# Altium PCB PCB2-v2.PcbDoc (part 8 of 8)
Units mil, origin at the board's own origin, x right, y up, seen from the top; angles counter-clockwise.
Board outline 4330.71 x 4330.71 mil, 2 copper layers (Top Layer, Bottom Layer); 153 components, 127 nets, 575 pads, 933 vias.
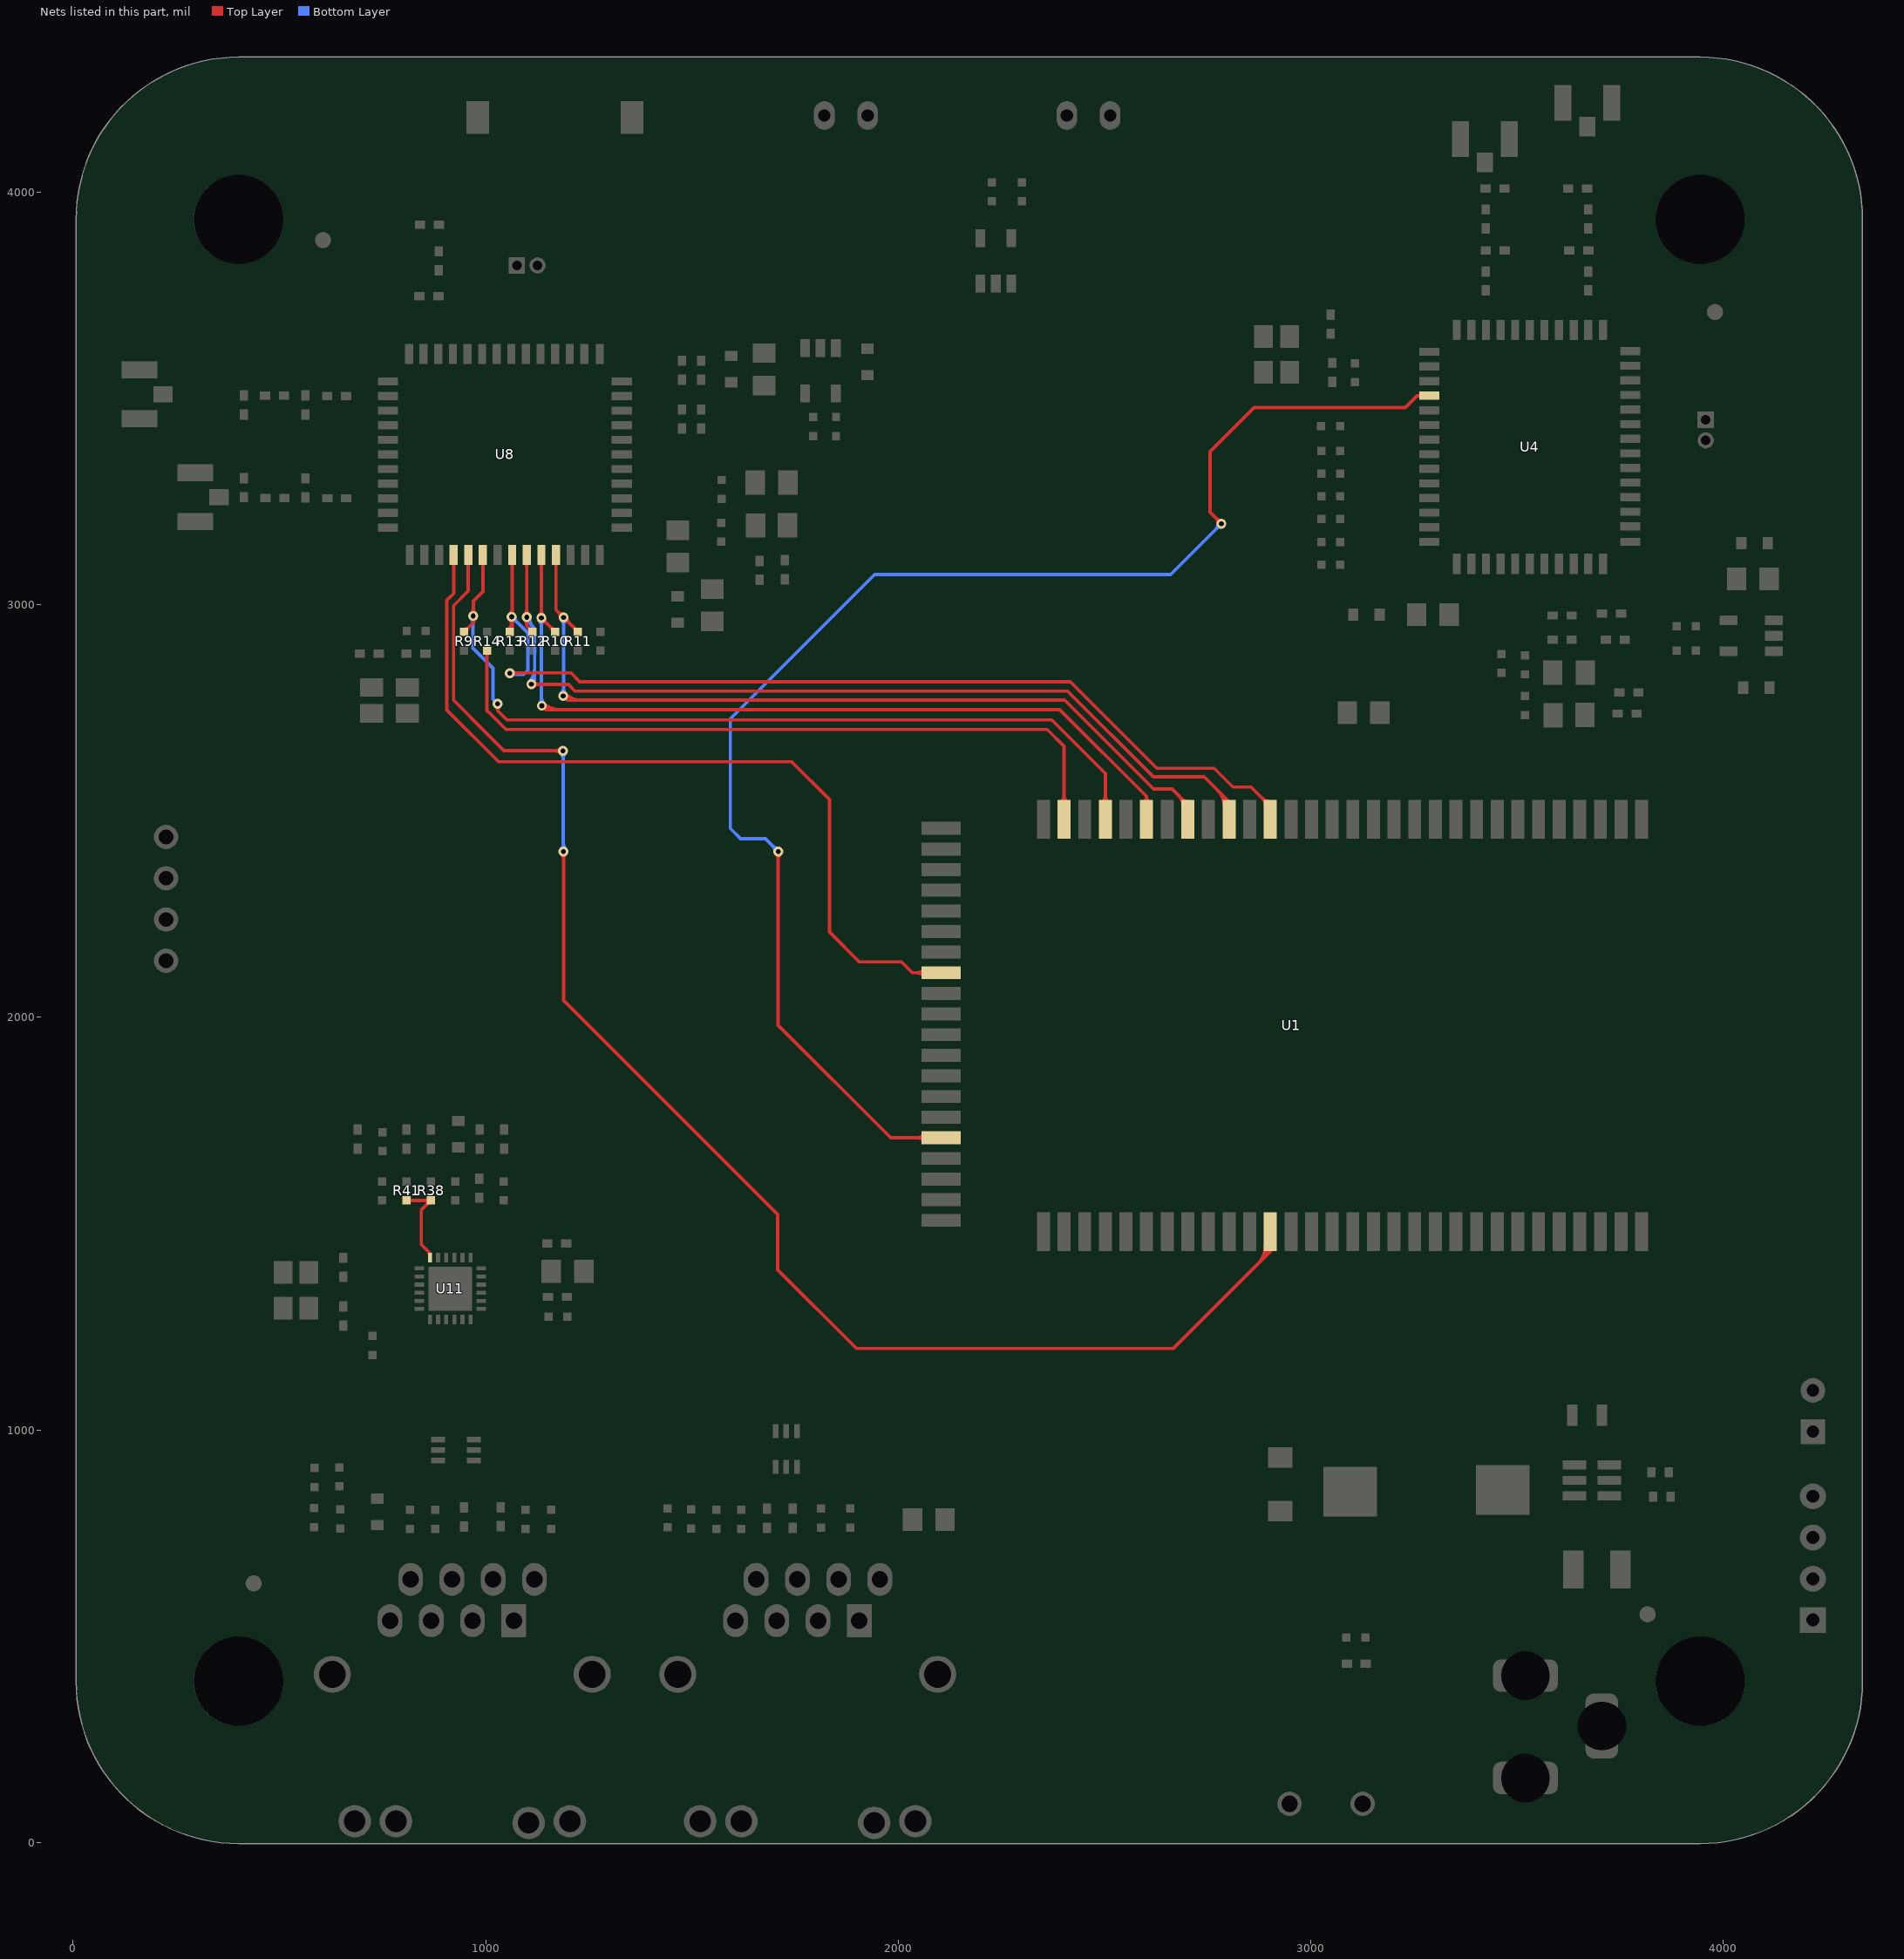
[diagram p8: the nets of this part, all layers, seen from the top]

## Via types
v1: diameter 24, hole 12, Top Layer to Bottom Layer, tented both sides, 931 vias
v2: diameter 78.74, hole 51.18, Top Layer to Bottom Layer, 2 vias

## Nets (pads, with @x,y where several pads share a name; then routed paths per layer and width w, separated by ;. In a path a pad name is that pad's centre, name@x,y a point inside that pad or via, vN(x,y) a via of type N, cw(c..) or ccw(c..) an arc to the next point about the centre after c; other vN are vias at no path point) (continued)
WL0_REG_ON: U1.76 U4.15 | length 4206.2
  Top Layer w8: v1(1708.89,2401.89) 1708.89,1980.89 1981.86,1707.92 U1.76@2103.93,1707.92 ; v1(2783.21,3196.67) 2755.83,3224.05 2755.83,3370.94 2862.78,3477.89 3012.89,3477.89 ; 2992.89,3477.89 3012.89,3477.89 ; U4.15@3287.36,3506.74 3257.73,3506.74 3228.89,3477.89 3012.89,3477.89 ; v1@1703.23,2396.24 cw(c1689.57,2382.58) 1708.89,2382.58 ; v1@1703.23,2396.24 cw(c1689.57,2382.58) 1708.89,2382.58 ; v1@1703.23,2396.24 cw(c1689.57,2382.58) 1708.89,2382.58 ; v1@1703.23,2396.24 cw(c1689.57,2382.58) 1708.89,2382.58 ; 1708.89,2382.58 cw(c1728.2,2382.58) v1@1714.54,2396.24 ; 1708.89,2382.58 cw(c1728.2,2382.58) v1@1714.54,2396.24 ; 1708.89,2382.58 cw(c1728.2,2382.58) v1@1714.54,2396.24 ; 1708.89,2382.58 cw(c1728.2,2382.58) v1@1714.54,2396.24 ; 2044.07,1707.92 cw(c2044.07,1679.55) U1.76@2064.13,1699.61 ; 2044.07,1707.92 ccw(c2044.07,1736.28) U1.76@2064.13,1716.22 ; 2044.07,1707.92 cw(c2044.07,1679.55) U1.76@2064.13,1699.61 ; 2044.07,1707.92 ccw(c2044.07,1736.28) U1.76@2064.13,1716.22 ; 2044.07,1707.92 ccw(c2044.07,1736.28) U1.76@2064.13,1716.22 ; 2044.07,1707.92 cw(c2044.07,1679.55) U1.76@2064.13,1699.61 ; 2044.07,1707.92 ccw(c2044.07,1736.28) U1.76@2064.13,1716.22 ; 2044.07,1707.92 cw(c2044.07,1679.55) U1.76@2064.13,1699.61 ; 2769.55,3210.33 cw(c2755.9,3196.67) v1@2775.21,3196.67 ; 2769.55,3210.33 ccw(c2783.21,3223.99) v1@2783.21,3204.67 ; 2769.55,3210.33 cw(c2755.9,3196.67) v1@2775.21,3196.67 ; 2769.55,3210.33 ccw(c2783.21,3223.99) v1@2783.21,3204.67 ; 2769.55,3210.33 ccw(c2783.21,3223.99) v1@2783.21,3204.67 ; 2769.55,3210.33 cw(c2755.9,3196.67) v1@2775.21,3196.67 ; 2769.55,3210.33 ccw(c2783.21,3223.99) v1@2783.21,3204.67 ; 2769.55,3210.33 cw(c2755.9,3196.67) v1@2775.21,3196.67 ; 3258.49,3506.74 cw(c3258.49,3492.63) U4.15@3268.46,3502.6 ; 3258.49,3506.74 ccw(c3258.49,3520.84) U4.15@3268.46,3510.87 ; 3258.49,3506.74 cw(c3258.49,3492.63) U4.15@3268.46,3502.6 ; 3258.49,3506.74 ccw(c3258.49,3520.84) U4.15@3268.46,3510.87 ; 3258.49,3506.74 ccw(c3258.49,3520.84) U4.15@3268.46,3510.87 ; 3258.49,3506.74 cw(c3258.49,3492.63) U4.15@3268.46,3502.6 ; 3258.49,3506.74 ccw(c3258.49,3520.84) U4.15@3268.46,3510.87 ; 3258.49,3506.74 cw(c3258.49,3492.63) U4.15@3268.46,3502.6
  Bottom Layer w8: v1(1708.89,2401.89) 1677.89,2432.89 1617.89,2432.89 1592.89,2457.89 1592.89,2723.24 1942.9,3073.26 2660.04,3073.26 2781.89,3195.1 v1@2778.77,3195.1 ; 1695.23,2415.55 cw(c1681.57,2401.89) v1@1700.89,2401.89 ; 1695.23,2415.55 ccw(c1708.89,2429.21) v1@1708.89,2409.89 ; 1695.23,2415.55 cw(c1681.57,2401.89) v1@1700.89,2401.89 ; 1695.23,2415.55 ccw(c1708.89,2429.21) v1@1708.89,2409.89 ; 1695.23,2415.55 ccw(c1708.89,2429.21) v1@1708.89,2409.89 ; 1695.23,2415.55 cw(c1681.57,2401.89) v1@1700.89,2401.89 ; 1695.23,2415.55 ccw(c1708.89,2429.21) v1@1708.89,2409.89 ; 1695.23,2415.55 cw(c1681.57,2401.89) v1@1700.89,2401.89 ; 2769.38,3182.59 ccw(c2755.3,3196.67) 2775.21,3196.67 cw(c2755.3,3196.67) 2769.38,3182.59 ; 2769.98,3183.19 cw(c2783.21,3169.96) 2783.21,3188.67 ccw(c2783.21,3169.96) 2769.98,3183.19
WL1_CLK: R14.1 U1.59 | length 2028.3
  Top Layer w8: R14.1@1002.95,2888.52 1002.95,2743.83 1012.81,2733.97 1049.21,2697.57 2361.14,2697.57 2401.96,2656.75 U1.59@2401.96,2480.2 U1.59@2403.89,2482.12 ; R14.1@998.71,2884.28 cw(c988.46,2874.04) 1002.95,2874.04 ; R14.1@998.71,2884.28 cw(c988.46,2874.04) 1002.95,2874.04 ; R14.1@998.71,2884.28 cw(c988.46,2874.04) 1002.95,2874.04 ; R14.1@998.71,2884.28 cw(c988.46,2874.04) 1002.95,2874.04 ; 1002.95,2874.04 cw(c1017.43,2874.04) R14.1@1007.19,2884.28 ; 1002.95,2874.04 cw(c1017.43,2874.04) R14.1@1007.19,2884.28 ; 1002.95,2874.04 cw(c1017.43,2874.04) R14.1@1007.19,2884.28 ; 1002.95,2874.04 cw(c1017.43,2874.04) R14.1@1007.19,2884.28 ; U1.59@2393.66,2520 ccw(c2373.6,2540.06) 2401.96,2540.06 ; U1.59@2393.66,2520 ccw(c2373.6,2540.06) 2401.96,2540.06 ; U1.59@2393.66,2520 ccw(c2373.6,2540.06) 2401.96,2540.06 ; U1.59@2393.66,2520 ccw(c2373.6,2540.06) 2401.96,2540.06 ; 2401.96,2540.06 ccw(c2430.33,2540.06) U1.59@2410.27,2520 ; 2401.96,2540.06 ccw(c2430.33,2540.06) U1.59@2410.27,2520 ; 2401.96,2540.06 ccw(c2430.33,2540.06) U1.59@2410.27,2520 ; 2401.96,2540.06 ccw(c2430.33,2540.06) U1.59@2410.27,2520
WL1_CMD: R9.1 U1.57 U8.17 | length 2663.6
  Top Layer w8: R9.1@947.83,2934.52 969.89,2956.58 cw(c982.52,2956.58) v1@974.78,2966.57 ; v1(969.89,2972.89) 969.89,3008.89 993.11,3032.11 U8.17@993.11,3120.66 ; v1(1028.89,2759.89) 1028.89,2743.55 ; U1.57@2501.96,2480.2 2501.96,2590.98 2371.93,2721.01 1051.42,2721.01 1028.89,2743.55 ; R9.1@947.83,2940.52 ccw(c947.83,2955.01) 958.07,2944.77 ; R9.1@947.83,2940.52 ccw(c947.83,2955.01) 958.07,2944.77 ; R9.1@947.83,2940.52 ccw(c947.83,2955.01) 958.07,2944.77 ; R9.1@947.83,2940.52 ccw(c947.83,2955.01) 958.07,2944.77 ; R9.1@953.83,2934.52 cw(c968.32,2934.52) 958.07,2944.77 ; R9.1@953.83,2934.52 cw(c968.32,2934.52) 958.07,2944.77 ; R9.1@953.83,2934.52 cw(c968.32,2934.52) 958.07,2944.77 ; R9.1@953.83,2934.52 cw(c968.32,2934.52) 958.07,2944.77 ; v1@964.23,2978.55 ccw(c950.57,2992.21) 969.89,2992.21 ; v1@964.23,2978.55 ccw(c950.57,2992.21) 969.89,2992.21 ; v1@964.23,2978.55 ccw(c950.57,2992.21) 969.89,2992.21 ; 969.89,2992.21 ccw(c989.2,2992.21) v1@975.54,2978.55 ; 969.89,2992.21 ccw(c989.2,2992.21) v1@975.54,2978.55 ; 969.89,2992.21 ccw(c989.2,2992.21) v1@975.54,2978.55 ; U8.17@988.98,3101.76 cw(c979,3091.79) 993.11,3091.79 ; U8.17@988.98,3101.76 cw(c979,3091.79) 993.11,3091.79 ; U8.17@988.98,3101.76 cw(c979,3091.79) 993.11,3091.79 ; U8.17@988.98,3101.76 cw(c979,3091.79) 993.11,3091.79 ; 993.11,3091.79 cw(c1007.21,3091.79) U8.17@997.24,3101.76 ; 993.11,3091.79 cw(c1007.21,3091.79) U8.17@997.24,3101.76 ; 993.11,3091.79 cw(c1007.21,3091.79) U8.17@997.24,3101.76 ; 993.11,3091.79 cw(c1007.21,3091.79) U8.17@997.24,3101.76 ; v1@1023.98,2753.58 cw(c1016.18,2743.55) 1028.89,2743.55 ; v1@1023.98,2753.58 cw(c1016.18,2743.55) 1028.89,2743.55 ; v1@1023.98,2753.58 cw(c1016.18,2743.55) 1028.89,2743.55 ; 1028.89,2743.55 cw(c1041.59,2743.55) v1@1033.79,2753.58 ; 1028.89,2743.55 cw(c1041.59,2743.55) v1@1033.79,2753.58 ; 1028.89,2743.55 cw(c1041.59,2743.55) v1@1033.79,2753.58 ; U1.57@2493.66,2520 ccw(c2473.6,2540.06) 2501.96,2540.06 ; U1.57@2493.66,2520 ccw(c2473.6,2540.06) 2501.96,2540.06 ; U1.57@2493.66,2520 ccw(c2473.6,2540.06) 2501.96,2540.06 ; 2501.96,2540.06 ccw(c2530.33,2540.06) U1.57@2510.27,2520 ; 2501.96,2540.06 ccw(c2530.33,2540.06) U1.57@2510.27,2520 ; 2501.96,2540.06 ccw(c2530.33,2540.06) U1.57@2510.27,2520
  Bottom Layer w8: v1@968.89,2971.89 968.89,2894.81 1017.45,2846.25 1017.45,2771.33 v1@1027.89,2760.89 ; v1@964.23,2967.24 cw(c952.99,2955.99) 968.89,2955.99 ; v1@964.23,2967.24 cw(c952.99,2955.99) 968.89,2955.99 ; v1@964.23,2967.24 cw(c952.99,2955.99) 968.89,2955.99 ; 968.89,2951.17 cw(c991.61,2951.17) v1@975.54,2967.24 ; 968.89,2951.17 cw(c991.61,2951.17) v1@975.54,2967.24 ; 968.89,2951.17 cw(c991.61,2951.17) v1@975.54,2967.24
WL1_D0: R10.1 U1.55 U8.21 | length 2828.6
  Top Layer w8: U8.21@1134.84,3120.66 v1(1134.84,2967.99) R10.1@1168.3,2934.52 ; U1.55@2601.96,2480.2 2601.96,2535.37 2391.34,2745.99 1145.15,2745.99 v1(1135.89,2755.26) ; v1@1129.18,2973.64 ccw(c1115.52,2987.3) 1134.84,2987.3 ; v1@1129.18,2973.64 ccw(c1115.52,2987.3) 1134.84,2987.3 ; v1@1129.18,2973.64 ccw(c1115.52,2987.3) 1134.84,2987.3 ; U8.21@1130.71,3101.76 cw(c1120.73,3091.79) 1134.84,3091.79 ; U8.21@1130.71,3101.76 cw(c1120.73,3091.79) 1134.84,3091.79 ; U8.21@1130.71,3101.76 cw(c1120.73,3091.79) 1134.84,3091.79 ; U8.21@1130.71,3101.76 cw(c1120.73,3091.79) 1134.84,3091.79 ; v1@1134.84,2959.99 cw(c1134.84,2940.67) 1148.5,2954.33 ; v1@1134.84,2959.99 cw(c1134.84,2940.67) 1148.5,2954.33 ; v1@1134.84,2959.99 cw(c1134.84,2940.67) 1148.5,2954.33 ; 1134.84,2987.3 ccw(c1154.15,2987.3) v1@1140.5,2973.64 ; 1134.84,2987.3 ccw(c1154.15,2987.3) v1@1140.5,2973.64 ; 1134.84,2987.3 ccw(c1154.15,2987.3) v1@1140.5,2973.64 ; 1134.84,3091.79 cw(c1148.94,3091.79) U8.21@1138.97,3101.76 ; 1134.84,3091.79 cw(c1148.94,3091.79) U8.21@1138.97,3101.76 ; 1134.84,3091.79 cw(c1148.94,3091.79) U8.21@1138.97,3101.76 ; 1134.84,3091.79 cw(c1148.94,3091.79) U8.21@1138.97,3101.76 ; v1(1135.89,2755.26) ccw(c1158.26,2777.64) 1158.26,2745.99 ; v1(1135.89,2755.26) ccw(c1158.26,2777.64) 1158.26,2745.99 ; v1(1135.89,2755.26) ccw(c1158.26,2777.64) 1158.26,2745.99 ; v1@1141.54,2760.92 ccw(c1177.57,2796.95) 1177.57,2745.99 ; v1@1141.54,2760.92 ccw(c1177.57,2796.95) 1177.57,2745.99 ; v1@1141.54,2760.92 ccw(c1177.57,2796.95) 1177.57,2745.99 ; v1@1142.84,2967.99 ccw(c1162.15,2967.99) 1148.5,2954.33 ; v1@1142.84,2967.99 ccw(c1162.15,2967.99) 1148.5,2954.33 ; v1@1142.84,2967.99 ccw(c1162.15,2967.99) 1148.5,2954.33 ; 1158.06,2944.77 cw(c1147.82,2934.52) R10.1@1162.3,2934.52 ; 1158.06,2944.77 ccw(c1168.3,2955.01) R10.1@1168.3,2940.52 ; 1158.06,2944.77 cw(c1147.82,2934.52) R10.1@1162.3,2934.52 ; 1158.06,2944.77 ccw(c1168.3,2955.01) R10.1@1168.3,2940.52 ; 1158.06,2944.77 ccw(c1168.3,2955.01) R10.1@1168.3,2940.52 ; 1158.06,2944.77 cw(c1147.82,2934.52) R10.1@1162.3,2934.52 ; 1158.06,2944.77 ccw(c1168.3,2955.01) R10.1@1168.3,2940.52 ; 1158.06,2944.77 cw(c1147.82,2934.52) R10.1@1162.3,2934.52 ; 2601.96,2535.37 ccw(c2619.94,2535.37) 2609.07,2521.05 cw(c2619.94,2535.37) 2601.96,2535.37 ; 2601.96,2535.37 cw(c2583.99,2535.37) 2594.86,2521.05 ccw(c2583.99,2535.37) 2601.96,2535.37
  Bottom Layer w8: v1@1134.84,2756.31 v1(1134.84,2967.99) ; v1@1129.18,2962.33 cw(c1115.52,2948.67) 1134.84,2948.67 ; v1@1129.18,2962.33 cw(c1115.52,2948.67) 1134.84,2948.67 ; v1@1129.18,2962.33 cw(c1115.52,2948.67) 1134.84,2948.67 ; v1@1130.23,2760.92 ccw(c1119.1,2772.05) 1134.84,2772.05 ; v1@1130.23,2760.92 ccw(c1119.1,2772.05) 1134.84,2772.05 ; v1@1130.23,2760.92 ccw(c1119.1,2772.05) 1134.84,2772.05 ; 1134.84,2777.11 ccw(c1157.73,2777.11) v1@1141.54,2760.92 ; 1134.84,2777.11 ccw(c1157.73,2777.11) v1@1141.54,2760.92 ; 1134.84,2777.11 ccw(c1157.73,2777.11) v1@1141.54,2760.92 ; 1134.84,2948.67 cw(c1154.15,2948.67) v1@1140.5,2962.33 ; 1134.84,2948.67 cw(c1154.15,2948.67) v1@1140.5,2962.33 ; 1134.84,2948.67 cw(c1154.15,2948.67) v1@1140.5,2962.33
WL1_D1: R11.1 U1.53 U8.22 | length 2854
  Top Layer w8: U8.22@1170.27,3120.66 1170.27,2987.67 v1(1188.78,2969.17) R11.1@1223.42,2934.52 ; 2679.61,2537.29 cw(c2654.02,2511.7) U1.53@2690.22,2511.7 ; 2687.45,2529.46 ccw(c2701.96,2543.97) U1.53@2701.96,2523.44 ; U1.53@2701.96,2480.2 2701.96,2514.94 2663.78,2553.13 2619.08,2553.13 2403.54,2768.66 1198.12,2768.66 v1(1187.89,2778.89) ; U8.22@1166.14,3101.76 cw(c1156.17,3091.79) 1170.27,3091.79 ; U8.22@1166.14,3101.76 cw(c1156.17,3091.79) 1170.27,3091.79 ; U8.22@1166.14,3101.76 cw(c1156.17,3091.79) 1170.27,3091.79 ; U8.22@1166.14,3101.76 cw(c1156.17,3091.79) 1170.27,3091.79 ; 1170.27,3091.79 cw(c1184.38,3091.79) U8.22@1174.4,3101.76 ; 1170.27,3091.79 cw(c1184.38,3091.79) U8.22@1174.4,3101.76 ; 1170.27,3091.79 cw(c1184.38,3091.79) U8.22@1174.4,3101.76 ; 1170.27,3091.79 cw(c1184.38,3091.79) U8.22@1174.4,3101.76 ; 1175.12,2982.83 cw(c1161.46,2969.17) v1@1180.78,2969.17 ; 1175.12,2982.83 ccw(c1188.78,2996.48) v1@1188.78,2977.17 ; 1175.12,2982.83 ccw(c1188.78,2996.48) v1@1188.78,2977.17 ; 1175.12,2982.83 cw(c1161.46,2969.17) v1@1180.78,2969.17 ; 1175.12,2982.83 ccw(c1188.78,2996.48) v1@1188.78,2977.17 ; 1175.12,2982.83 cw(c1161.46,2969.17) v1@1180.78,2969.17 ; v1(1187.89,2778.89) ccw(c1212.58,2803.59) 1212.58,2768.66 ; v1(1187.89,2778.89) ccw(c1212.58,2803.59) 1212.58,2768.66 ; v1(1187.89,2778.89) ccw(c1212.58,2803.59) 1212.58,2768.66 ; v1@1188.78,2961.17 cw(c1188.78,2941.86) 1202.43,2955.51 ; v1@1188.78,2961.17 cw(c1188.78,2941.86) 1202.43,2955.51 ; v1@1188.78,2961.17 cw(c1188.78,2941.86) 1202.43,2955.51 ; v1@1193.54,2784.55 ccw(c1231.9,2822.9) 1231.9,2768.66 ; v1@1193.54,2784.55 ccw(c1231.9,2822.9) 1231.9,2768.66 ; v1@1193.54,2784.55 ccw(c1231.9,2822.9) 1231.9,2768.66 ; v1@1196.78,2969.17 ccw(c1216.09,2969.17) 1202.43,2955.51 ; v1@1196.78,2969.17 ccw(c1216.09,2969.17) 1202.43,2955.51 ; v1@1196.78,2969.17 ccw(c1216.09,2969.17) 1202.43,2955.51 ; 1213.18,2944.77 cw(c1202.94,2934.52) R11.1@1217.42,2934.52 ; 1213.18,2944.77 ccw(c1223.42,2955.01) R11.1@1223.42,2940.52 ; 1213.18,2944.77 cw(c1202.94,2934.52) R11.1@1217.42,2934.52 ; 1213.18,2944.77 ccw(c1223.42,2955.01) R11.1@1223.42,2940.52 ; 1213.18,2944.77 ccw(c1223.42,2955.01) R11.1@1223.42,2940.52 ; 1213.18,2944.77 cw(c1202.94,2934.52) R11.1@1217.42,2934.52 ; 1213.18,2944.77 ccw(c1223.42,2955.01) R11.1@1223.42,2940.52 ; 1213.18,2944.77 cw(c1202.94,2934.52) R11.1@1217.42,2934.52
  Bottom Layer w8: v1@1188.78,2779.78 v1(1188.78,2969.17) ; v1@1182.23,2784.55 ccw(c1166.43,2800.35) 1188.78,2800.35 ; v1@1182.23,2784.55 ccw(c1166.43,2800.35) 1188.78,2800.35 ; v1@1182.23,2784.55 ccw(c1166.43,2800.35) 1188.78,2800.35 ; v1@1183.12,2963.51 cw(c1169.46,2949.86) 1188.78,2949.86 ; v1@1183.12,2963.51 cw(c1169.46,2949.86) 1188.78,2949.86 ; v1@1183.12,2963.51 cw(c1169.46,2949.86) 1188.78,2949.86 ; 1188.78,2796.06 ccw(c1205.05,2796.06) v1@1193.54,2784.55 ; 1188.78,2796.06 ccw(c1205.05,2796.06) v1@1193.54,2784.55 ; 1188.78,2796.06 ccw(c1205.05,2796.06) v1@1193.54,2784.55 ; 1188.78,2949.86 cw(c1208.09,2949.86) v1@1194.43,2963.51 ; 1188.78,2949.86 cw(c1208.09,2949.86) v1@1194.43,2963.51 ; 1188.78,2949.86 cw(c1208.09,2949.86) v1@1194.43,2963.51
WL1_D2: R12.1 U1.51 U8.20 | length 3218.6
  Top Layer w8: U8.20@1099.41,3120.66 v1(1099.41,2969.89) 1099.41,2948.3 R12.1@1113.19,2934.52 ; v1@1110.47,2806.89 1200.28,2806.89 1216.77,2790.41 2410.97,2790.41 2618.52,2582.85 2741.64,2582.85 2801.96,2522.53 U1.51@2801.96,2480.2 ; v1@1093.75,2964.24 cw(c1080.09,2950.58) 1099.41,2950.58 ; v1@1093.75,2964.24 cw(c1080.09,2950.58) 1099.41,2950.58 ; v1@1093.75,2964.24 cw(c1080.09,2950.58) 1099.41,2950.58 ; v1@1093.75,2975.55 ccw(c1080.09,2989.21) 1099.41,2989.21 ; v1@1093.75,2975.55 ccw(c1080.09,2989.21) 1099.41,2989.21 ; v1@1093.75,2975.55 ccw(c1080.09,2989.21) 1099.41,2989.21 ; U8.20@1095.27,3101.76 cw(c1085.3,3091.79) 1099.41,3091.79 ; U8.20@1095.27,3101.76 cw(c1085.3,3091.79) 1099.41,3091.79 ; U8.20@1095.27,3101.76 cw(c1085.3,3091.79) 1099.41,3091.79 ; U8.20@1095.27,3101.76 cw(c1085.3,3091.79) 1099.41,3091.79 ; 1099.41,2950.58 cw(c1118.72,2950.58) v1@1105.06,2964.24 ; 1099.41,2950.58 cw(c1118.72,2950.58) v1@1105.06,2964.24 ; 1099.41,2950.58 cw(c1118.72,2950.58) v1@1105.06,2964.24 ; 1099.41,2989.21 ccw(c1118.72,2989.21) v1@1105.06,2975.55 ; 1099.41,2989.21 ccw(c1118.72,2989.21) v1@1105.06,2975.55 ; 1099.41,2989.21 ccw(c1118.72,2989.21) v1@1105.06,2975.55 ; 1099.41,3091.79 cw(c1113.51,3091.79) U8.20@1103.54,3101.76 ; 1099.41,3091.79 cw(c1113.51,3091.79) U8.20@1103.54,3101.76 ; 1099.41,3091.79 cw(c1113.51,3091.79) U8.20@1103.54,3101.76 ; 1099.41,3091.79 cw(c1113.51,3091.79) U8.20@1103.54,3101.76 ; 1102.94,2944.77 cw(c1092.7,2934.52) R12.1@1107.19,2934.52 ; 1102.94,2944.77 ccw(c1113.19,2955.01) R12.1@1113.19,2940.52 ; 1102.94,2944.77 cw(c1092.7,2934.52) R12.1@1107.19,2934.52 ; 1102.94,2944.77 ccw(c1113.19,2955.01) R12.1@1113.19,2940.52 ; 1102.94,2944.77 ccw(c1113.19,2955.01) R12.1@1113.19,2940.52 ; 1102.94,2944.77 cw(c1092.7,2934.52) R12.1@1107.19,2934.52 ; 1102.94,2944.77 ccw(c1113.19,2955.01) R12.1@1113.19,2940.52 ; 1102.94,2944.77 cw(c1092.7,2934.52) R12.1@1107.19,2934.52 ; v1@1116.13,2801.78 cw(c1128.46,2789.45) 1128.46,2806.89 ; v1@1116.13,2801.78 cw(c1128.46,2789.45) 1128.46,2806.89 ; v1@1116.13,2801.78 cw(c1128.46,2789.45) 1128.46,2806.89 ; v1@1116.13,2813.1 ccw(c1131.11,2828.08) 1131.11,2806.89 ; v1@1116.13,2813.1 ccw(c1131.11,2828.08) 1131.11,2806.89 ; v1@1116.13,2813.1 ccw(c1131.11,2828.08) 1131.11,2806.89 ; 2774.25,2550.25 cw(c2735.7,2511.7) U1.51@2790.22,2511.7 ; 2774.25,2550.25 cw(c2735.7,2511.7) U1.51@2790.22,2511.7 ; 2774.25,2550.25 cw(c2735.7,2511.7) U1.51@2790.22,2511.7 ; 2787.9,2536.59 cw(c2763.01,2511.7) U1.51@2798.22,2511.7 ; 2787.9,2536.59 cw(c2763.01,2511.7) U1.51@2798.22,2511.7 ; 2787.9,2536.59 cw(c2763.01,2511.7) U1.51@2798.22,2511.7
  Bottom Layer w8: v1(1099.41,2969.89) ccw(c1113.31,2967.75) 1103.36,2957.8 ; v1(1099.41,2969.89) ccw(c1113.31,2967.75) 1103.36,2957.8 ; v1(1099.41,2969.89) ccw(c1113.31,2967.75) 1103.36,2957.8 ; v1(1099.41,2969.89) 1099.41,2961.76 1118.59,2942.57 1118.59,2819.55 ; v1@1104.81,2813.1 ccw(c1071.56,2846.35) 1118.59,2846.35 ; v1@1104.81,2813.1 ccw(c1071.56,2846.35) 1118.59,2846.35 ; v1@1104.81,2813.1 ccw(c1071.56,2846.35) 1118.59,2846.35 ; v1@1107.31,2968.67 ccw(c1132.63,2964.76) 1114.52,2946.64 ; v1@1107.31,2968.67 ccw(c1132.63,2964.76) 1114.52,2946.64 ; v1@1107.31,2968.67 ccw(c1132.63,2964.76) 1114.52,2946.64 ; v1(1110.47,2807.44) ccw(c1090.87,2827.04) 1118.59,2827.04 ; v1(1110.47,2807.44) ccw(c1090.87,2827.04) 1118.59,2827.04 ; v1(1110.47,2807.44) ccw(c1090.87,2827.04) 1118.59,2827.04 ; v1(1110.47,2807.44) 1116.98,2813.95 1116.98,2817.95 1118.59,2819.55 ; v1@1110.47,2815.44 ccw(c1110.47,2825.11) 1117.3,2818.27 ; v1@1110.47,2815.44 ccw(c1110.47,2825.11) 1117.3,2818.27 ; v1@1110.47,2815.44 ccw(c1110.47,2825.11) 1117.3,2818.27 ; v1@1117.45,2811.35 cw(c1123.44,2814.7) 1118.59,2819.55 ; v1@1117.45,2811.35 cw(c1123.44,2814.7) 1118.59,2819.55 ; v1@1117.45,2811.35 cw(c1123.44,2814.7) 1118.59,2819.55
WL1_D3: R13.1 U1.49 U8.19 | length 3080.3
  Top Layer w8: v1@1059.89,2834.89 1206.46,2834.89 1227.82,2813.54 2417.32,2813.54 2627.14,2603.71 2765.91,2603.71 2811.45,2558.18 2855.26,2558.18 U1.49@2901.96,2511.47 ; R13.1@1063.97,2940.43 U8.19@1063.97,3120.66 ; R13.1@1053.82,2938.77 ccw(c1029.32,2963.27) v1@1063.97,2963.27 ; R13.1@1053.82,2938.77 ccw(c1029.32,2963.27) v1@1063.97,2963.27 ; R13.1@1053.82,2938.77 ccw(c1029.32,2963.27) v1@1063.97,2963.27 ; v1@1057.23,2965.24 cw(c1040.95,2948.96) 1063.97,2948.96 ; v1@1057.23,2965.24 cw(c1040.95,2948.96) 1063.97,2948.96 ; v1@1057.23,2965.24 cw(c1040.95,2948.96) 1063.97,2948.96 ; v1@1057.23,2976.55 ccw(c1040.95,2992.83) 1063.97,2992.83 ; v1@1057.23,2976.55 ccw(c1040.95,2992.83) 1063.97,2992.83 ; v1@1057.23,2976.55 ccw(c1040.95,2992.83) 1063.97,2992.83 ; R13.1@1059.48,2933.11 ccw(c1048.64,2943.95) R13.1@1063.97,2943.95 ; R13.1@1059.48,2933.11 ccw(c1048.64,2943.95) R13.1@1063.97,2943.95 ; R13.1@1059.48,2933.11 ccw(c1048.64,2943.95) R13.1@1063.97,2943.95 ; U8.19@1059.84,3101.76 cw(c1049.87,3091.79) 1063.97,3091.79 ; U8.19@1059.84,3101.76 cw(c1049.87,3091.79) 1063.97,3091.79 ; U8.19@1059.84,3101.76 cw(c1049.87,3091.79) 1063.97,3091.79 ; U8.19@1059.84,3101.76 cw(c1049.87,3091.79) 1063.97,3091.79 ; v1@1063.82,2828.45 cw(c1079.37,2812.9) 1079.37,2834.89 ; v1@1063.82,2828.45 cw(c1079.37,2812.9) 1079.37,2834.89 ; v1@1063.82,2828.45 cw(c1079.37,2812.9) 1079.37,2834.89 ; v1@1063.82,2839.76 ccw(c1075.58,2851.53) 1075.58,2834.89 ; v1@1063.82,2839.76 ccw(c1075.58,2851.53) 1075.58,2834.89 ; v1@1063.82,2839.76 ccw(c1075.58,2851.53) 1075.58,2834.89 ; 1063.97,2954.2 cw(c1079.58,2954.2) v1@1068.54,2965.24 ; 1063.97,2954.2 cw(c1079.58,2954.2) v1@1068.54,2965.24 ; 1063.97,2954.2 cw(c1079.58,2954.2) v1@1068.54,2965.24 ; 1063.97,2987.58 ccw(c1079.58,2987.58) v1@1068.54,2976.55 ; 1063.97,2987.58 ccw(c1079.58,2987.58) v1@1068.54,2976.55 ; 1063.97,2987.58 ccw(c1079.58,2987.58) v1@1068.54,2976.55 ; 1063.97,3091.79 cw(c1078.08,3091.79) U8.19@1068.1,3101.76 ; 1063.97,3091.79 cw(c1078.08,3091.79) U8.19@1068.1,3101.76 ; 1063.97,3091.79 cw(c1078.08,3091.79) U8.19@1068.1,3101.76 ; 1063.97,3091.79 cw(c1078.08,3091.79) U8.19@1068.1,3101.76 ; 2881.53,2531.91 ccw(c2901.96,2552.35) 2901.96,2523.44 cw(c2901.96,2552.35) 2881.53,2531.91 ; 2882.07,2531.37 cw(c2862.4,2511.7) 2890.22,2511.7 ccw(c2862.4,2511.7) 2882.07,2531.37
  Bottom Layer w8: v1@1061.39,2836.39 1066.89,2830.89 1091.89,2830.89 1101.91,2840.92 1101.91,2931.87 v1(1062.89,2970.89) ; v1@1062.89,2962.89 cw(c1062.89,2943.58) 1076.54,2957.24 ; v1@1062.89,2962.89 cw(c1062.89,2943.58) 1076.54,2957.24 ; v1@1062.89,2962.89 cw(c1062.89,2943.58) 1076.54,2957.24 ; v1@1063.82,2839.76 ccw(c1085.24,2861.18) 1085.24,2830.89 ; v1@1063.82,2839.76 ccw(c1085.24,2861.18) 1085.24,2830.89 ; v1@1063.82,2839.76 ccw(c1085.24,2861.18) 1085.24,2830.89 ; v1@1070.89,2970.89 ccw(c1090.2,2970.89) 1076.54,2957.24 ; v1@1070.89,2970.89 ccw(c1090.2,2970.89) 1076.54,2957.24 ; v1@1070.89,2970.89 ccw(c1090.2,2970.89) 1076.54,2957.24
  other v1: 1058.16,2834.11
WL1_HOST_WAKE: U1.12 U8.16 | length 4359.1
  Top Layer w8: U8.16@957.67,3120.66 957.67,3033.68 921.89,2997.89 921.89,2768.89 1001.89,2688.89 ; 1007.89,2682.89 1001.89,2688.89 ; v1@1187.83,2646.49 1044.29,2646.49 1001.89,2688.89 ; v1(1188.59,2402.07) 1188.59,2040.91 1707.7,1521.8 1707.7,1388.05 1898.37,1197.38 2667.36,1197.38 2901.96,1431.99 ; U1.12@2901.96,1480.2 2901.96,1431.99 ; U8.16@953.54,3101.76 cw(c943.57,3091.79) 957.67,3091.79 ; U8.16@953.54,3101.76 cw(c943.57,3091.79) 957.67,3091.79 ; U8.16@953.54,3101.76 cw(c943.57,3091.79) 957.67,3091.79 ; U8.16@953.54,3101.76 cw(c943.57,3091.79) 957.67,3091.79 ; 957.67,3091.79 cw(c971.78,3091.79) U8.16@961.8,3101.76 ; 957.67,3091.79 cw(c971.78,3091.79) U8.16@961.8,3101.76 ; 957.67,3091.79 cw(c971.78,3091.79) U8.16@961.8,3101.76 ; 957.67,3091.79 cw(c971.78,3091.79) U8.16@961.8,3101.76 ; 1166.17,2646.49 cw(c1166.17,2624.67) v1@1181.6,2640.1 ; 1166.17,2646.49 cw(c1166.17,2624.67) v1@1181.6,2640.1 ; 1166.17,2646.49 cw(c1166.17,2624.67) v1@1181.6,2640.1 ; 1169.71,2646.49 ccw(c1169.71,2663.3) v1@1181.6,2651.41 ; 1169.71,2646.49 ccw(c1169.71,2663.3) v1@1181.6,2651.41 ; 1169.71,2646.49 ccw(c1169.71,2663.3) v1@1181.6,2651.41 ; v1@1182.94,2396.42 cw(c1169.28,2382.76) 1188.59,2382.76 ; v1@1182.94,2396.42 cw(c1169.28,2382.76) 1188.59,2382.76 ; v1@1182.94,2396.42 cw(c1169.28,2382.76) 1188.59,2382.76 ; v1@1182.94,2396.42 cw(c1169.28,2382.76) 1188.59,2382.76 ; 1188.59,2382.76 cw(c1207.91,2382.76) v1@1194.25,2396.42 ; 1188.59,2382.76 cw(c1207.91,2382.76) v1@1194.25,2396.42 ; 1188.59,2382.76 cw(c1207.91,2382.76) v1@1194.25,2396.42 ; 1188.59,2382.76 cw(c1207.91,2382.76) v1@1194.25,2396.42 ; 2901.96,1431.99 ccw(c2895.94,1431.99) 2897.98,1437.65 cw(c2895.94,1431.99) 2901.96,1431.99 ; 2901.96,1431.99 cw(c2907.99,1431.99) 2905.95,1437.65 ccw(c2907.99,1431.99) 2901.96,1431.99 ; 2870.09,1400.11 ccw(c2821.49,1448.7) 2890.22,1448.7 cw(c2821.49,1448.7) 2870.09,1400.11 ; 2883.74,1413.77 ccw(c2848.81,1448.7) 2898.22,1448.7 cw(c2848.81,1448.7) 2883.74,1413.77 ; 2897.4,1427.42 ccw(c2876.12,1448.7) 2906.22,1448.7 cw(c2876.12,1448.7) 2897.4,1427.42
  Bottom Layer w8: v1@1187.83,2645.76 1187.83,2402.83 v1(1188.59,2402.07) ; v1@1181.6,2640.1 cw(c1166.54,2625.04) 1187.83,2625.04 ; v1@1181.6,2640.1 cw(c1166.54,2625.04) 1187.83,2625.04 ; v1@1181.6,2640.1 cw(c1166.54,2625.04) 1187.83,2625.04 ; v1@1182.94,2407.73 ccw(c1171.12,2419.55) 1187.83,2419.55 ; v1@1182.94,2407.73 ccw(c1171.12,2419.55) 1187.83,2419.55 ; v1@1182.94,2407.73 ccw(c1171.12,2419.55) 1187.83,2419.55 ; v1@1182.94,2407.73 ccw(c1171.12,2419.55) 1187.83,2419.55 ; 1187.83,2423.22 ccw(c1209.74,2423.22) v1@1194.25,2407.73 ; 1187.83,2423.22 ccw(c1209.74,2423.22) v1@1194.25,2407.73 ; 1187.83,2423.22 ccw(c1209.74,2423.22) v1@1194.25,2407.73 ; 1187.83,2423.22 ccw(c1209.74,2423.22) v1@1194.25,2407.73 ; 1187.83,2627.84 cw(c1205.17,2627.84) v1@1192.91,2640.1 ; 1187.83,2627.84 cw(c1205.17,2627.84) v1@1192.91,2640.1 ; 1187.83,2627.84 cw(c1205.17,2627.84) v1@1192.91,2640.1
  other v1: 1187.25,2645.76
WL1_REG_ON: U1.68 U8.15 | length 2255
  Top Layer w8: U8.15@922.24,3120.66 922.24,3027.25 905.89,3010.89 905.89,2744.89 1031.22,2619.56 1741.67,2619.56 1833.31,2527.93 1833.31,2206.47 1905.39,2134.39 2007.52,2134.39 2033.99,2107.92 U1.68@2103.93,2107.92 ; U8.15@918.11,3101.76 cw(c908.14,3091.79) 922.24,3091.79 ; U8.15@918.11,3101.76 cw(c908.14,3091.79) 922.24,3091.79 ; U8.15@918.11,3101.76 cw(c908.14,3091.79) 922.24,3091.79 ; U8.15@918.11,3101.76 cw(c908.14,3091.79) 922.24,3091.79 ; 922.24,3091.79 cw(c936.35,3091.79) U8.15@926.37,3101.76 ; 922.24,3091.79 cw(c936.35,3091.79) U8.15@926.37,3101.76 ; 922.24,3091.79 cw(c936.35,3091.79) U8.15@926.37,3101.76 ; 922.24,3091.79 cw(c936.35,3091.79) U8.15@926.37,3101.76 ; 2044.07,2107.92 cw(c2044.07,2079.55) U1.68@2064.13,2099.61 ; 2044.07,2107.92 ccw(c2044.07,2136.28) U1.68@2064.13,2116.22 ; 2044.07,2107.92 ccw(c2044.07,2136.28) U1.68@2064.13,2116.22 ; 2044.07,2107.92 cw(c2044.07,2079.55) U1.68@2064.13,2099.61 ; 2044.07,2107.92 ccw(c2044.07,2136.28) U1.68@2064.13,2116.22 ; 2044.07,2107.92 cw(c2044.07,2079.55) U1.68@2064.13,2099.61
XTAL_DET: R38.1 R41.2 U11.18 | length 524.1
  Top Layer w8: R41.2@807.76,1556.21 R38.1@866.82,1556.21 844.01,1533.41 844.01,1448.6 864.85,1427.77 U11.18@864.85,1417.19 ; R41.2@812,1551.97 cw(c822.25,1541.72) 822.25,1556.21 ; R41.2@812,1551.97 cw(c822.25,1541.72) 822.25,1556.21 ; R41.2@812,1551.97 cw(c822.25,1541.72) 822.25,1556.21 ; R41.2@812,1551.97 cw(c822.25,1541.72) 822.25,1556.21 ; R41.2@812,1560.45 ccw(c822.25,1570.69) 822.25,1556.21 ; R41.2@812,1560.45 ccw(c822.25,1570.69) 822.25,1556.21 ; R41.2@812,1560.45 ccw(c822.25,1570.69) 822.25,1556.21 ; R41.2@812,1560.45 ccw(c822.25,1570.69) 822.25,1556.21 ; 852.33,1556.21 cw(c852.33,1541.72) R38.1@862.57,1551.97 ; 852.33,1556.21 ccw(c852.33,1570.69) R38.1@862.57,1560.45 ; 852.33,1556.21 cw(c852.33,1541.72) R38.1@862.57,1551.97 ; 852.33,1556.21 ccw(c852.33,1570.69) R38.1@862.57,1560.45 ; 852.33,1556.21 ccw(c852.33,1570.69) R38.1@862.57,1560.45 ; 852.33,1556.21 cw(c852.33,1541.72) R38.1@862.57,1551.97 ; 852.33,1556.21 ccw(c852.33,1570.69) R38.1@862.57,1560.45 ; 852.33,1556.21 cw(c852.33,1541.72) R38.1@862.57,1551.97 ; 856.57,1545.97 cw(c866.82,1535.72) R38.1@866.82,1550.21 ; 856.57,1545.97 ccw(c846.33,1556.21) R38.1@860.82,1556.21 ; 856.57,1545.97 cw(c866.82,1535.72) R38.1@866.82,1550.21 ; 856.57,1545.97 ccw(c846.33,1556.21) R38.1@860.82,1556.21 ; 856.57,1545.97 ccw(c846.33,1556.21) R38.1@860.82,1556.21 ; 856.57,1545.97 cw(c866.82,1535.72) R38.1@866.82,1550.21 ; 856.57,1545.97 ccw(c846.33,1556.21) R38.1@860.82,1556.21 ; 856.57,1545.97 cw(c866.82,1535.72) R38.1@866.82,1550.21 ; 860.67,1431.95 cw(c852.8,1424.08) U11.18@863.93,1424.08 ; 860.67,1431.95 cw(c852.8,1424.08) U11.18@863.93,1424.08 ; 860.67,1431.95 cw(c852.8,1424.08) U11.18@863.93,1424.08 ; 860.67,1431.95 cw(c852.8,1424.08) U11.18@863.93,1424.08
pads on no net: J1.7 J1.13 J1.14 J2.7 J2.13 J2.14 U1.1 U1.3 U1.5 U1.11 U1.13 U1.15 U1.17 U1.19 U1.21 U1.22 U1.23 U1.24 U1.25 U1.27 U1.28 U1.32 U1.43 U1.48 U1.50 U1.52 U1.54 U1.56 U1.58 U1.60 U1.63 U1.66 U1.71 U1.74 U4.12 U4.27 U4.28 U4.29 U4.30 U4.33 U4.35 U4.37 U4.46 U4.48 U8.12 U8.27 U8.28 U8.29 U8.30 U8.33 U8.35 U8.37 U8.46 U9.0 U10.5 U11.20 U12.5 Y1.1 Y2.1
copper on no net:
  other v2: 2899.34,191.96 3174.93,191.96

## Polygon pours and split planes (outlines as drawn)
NetC53_2 on Top Layer "Bottom Layer-No Net" (hatched 90Degree grid 4 track 10, remove dead copper, pour order 1032): 3646.34,1061.68 3503.34,1061.68 3402.89,961.23 3402.89,797.09 3406.52,793.47 3529.75,793.47 3538.03,801.75 3600.17,863.89 3622.95,863.89 3669.17,863.89 3673.18,867.89 3673.18,882.26 3665.93,889.52 3611.18,889.52 3606.78,893.92 3591.37,909.33 3591.37,974.18 3591.37,987.64 3605.35,1001.62 3607.83,1004.11 3648.84,1004.11 3648.84,1059.18 3646.34,1061.68
GND on Top Layer "Bottom Layer-No Net" (hatched 90Degree grid 4 track 10, remove dead copper, pour order 1031): 3674.72,903.08 3615.78,903.08 3606.78,912.08 3606.78,991.39 3609.46,994.07 3684.46,994.07 3690.59,987.95 3699.48,979.05 3699.48,951.95 3699.48,927.84 3674.72,903.08
NetC16_2 on Top Layer "Bottom Layer-No Net" (hatched 90Degree grid 4 track 10, remove dead copper, pour order 1030): 3259.4,3161.1 3259.4,3055.71 3228.07,3023.75 3205.8,3001.05 3164.78,3001.05 3164.78,2957.94 3171.54,2951.05 3253.71,2951.05 3256.94,2954.34 3281.52,2979.41 3281.52,3087.44 3281.52,3112.86 3304.87,3136.67 3304.87,3153.58 3298.73,3159.85 3260.63,3159.85 3259.4,3161.1
NetL1_1 on Top Layer "Bottom Layer-No Net" (hatched 90Degree grid 4 track 10, remove dead copper, pour order 1029): 3345.21,3122.88 3345.21,3049.44 3313.27,3010.05 3313.27,2953.87 3322.86,2942.05 3357.87,2942.05 3359.9,2944.55 3364.02,2949.63 3364.02,3086.69 3364.02,3114.74 3358.43,3121.63 3357.41,3122.88 3345.21,3122.88
NetL2_1 on Top Layer "Bottom Layer-No Net" (hatched 90Degree grid 4 track 10, remove dead copper, pour order 1028): 1307.49,3179.91 1488.63,3179.91 1499.24,3190.52 1499.24,3212.27 1390.64,3212.27 1377.24,3198.86 1373.44,3195.07 1305.21,3195.07 1307.49,3192.8 1307.49,3179.91
WiFi_LDO on Top Layer "Bottom Layer-No Net" (hatched 90Degree grid 4 track 10, remove dead copper, pour order 1027): 1268.52,3123.89 1268.52,3072.43 1273.8,3068.57 1331.33,3026.48 1481.78,3026.48 1495.89,3036.8 1495.89,3076.39 1495.89,3101.24 1484.66,3109.46 1464.93,3123.89 1268.52,3123.89
WiFi_3V3 on Top Layer "Bottom Layer-No Net" (hatched 90Degree grid 4 track 10, remove dead copper, pour order 1024): 4055.98,3174.28 3995.48,3174.28 3969.32,3148.12 3862.42,3041.22 3708.15,3041.22 3647.89,3041.22 3637.28,3030.61 3621.34,3014.67 3621.34,2909.31 3631.49,2899.16 3722.93,2899.16 3722.93,2993.29 3724.44,2994.81 3738.26,3008.62 3805.56,3008.62 4028.45,3008.62 4059.53,3039.7 4059.53,3170.73 4055.98,3174.28
+12 on Top Layer "Bottom Layer-No Net" (hatched 90Degree grid 4 track 10, remove dead copper, pour order 1020): 3439.76,389.79 3439.76,536.49 3457.61,554.35 3510.39,607.13 3582.58,607.13 3606.78,631.32 3606.78,843.1 3613.76,850.09 3663.31,850.09 3663.31,447.23 3598.88,382.8 3591.9,389.79 3439.76,389.79
NetL4_2 on Top Layer "Bottom Layer-No Net" (hatched 90Degree grid 4 track 8, remove dead copper, pour order 1001): 4088.39,3094.16 4088.39,2967.11 4105.34,2949.55 4146.65,2949.55 4148.34,2951.31 4148.34,3082 4138.97,3091.7 4090.77,3091.7 4088.39,3094.16
VCC on Top Layer "Bottom Layer-No Net" (hatched 90Degree grid 4 track 8, remove dead copper, pour order 1002): 3987.23,2977.89 3987.23,2936.87 4001.05,2923.05 4006.23,2917.87 4047.92,2917.87 4047.92,2856.79 4032.14,2841.01 4029.92,2838.79 4029.92,2773.89 4061.36,2773.89 4066.68,2779.2 4066.68,2821.58 4077.04,2831.94 4101.07,2855.97 4131.58,2855.97 4143.97,2868.36 4143.97,2898 4089.88,2898 4087.29,2900.59 4087.29,2932.11 4041.52,2977.89 3987.23,2977.89
WiFi_3V3_U8 on Top Layer "Bottom Layer-No Net" (hatched 90Degree grid 4 track 8, remove dead copper, pour order 1003): 1457.39,3558.38 1457.39,3462.56 1459.64,3460.31 1598.09,3460.31 1607.12,3469.33 1614.85,3477.06 1614.85,3552.16 1608.63,3558.38 1457.39,3558.38
NetL5_2 on Top Layer "Bottom Layer-No Net" (hatched 90Degree grid 4 track 8, remove dead copper, pour order 1004): 1640.93,3584.28 1767.7,3584.28 1785.96,3602.54 1785.96,3644.43 1785.64,3644.75 1651.96,3644.75 1640.93,3633.72 1640.93,3584.28
VCC on Top Layer "Bottom Layer-No Net" (hatched 90Degree grid 4 track 8, remove dead copper, pour order 1005): 1759.57,3485.23 1759.57,3555.18 1770.8,3566.4 1779.43,3575.04 1817.43,3575.04 1836.86,3594.47 1836.86,3639.81 1889.88,3639.81 1900.24,3629.44 1900.24,3597.38 1909.49,3588.13 1913.08,3584.54 1957.33,3584.54 1957.33,3336.26 1970.29,3323.3 1977.2,3316.39 1977.2,3269.76 1962.95,3255.51 1888.68,3255.51 1880.91,3263.28 1880.91,3292.65 1880.91,3312.08 1905.52,3336.69 1915.45,3346.62 1915.45,3423.48 1915.45,3502.93 1887.81,3530.56 1870.95,3547.42 1833.84,3547.42 1790.66,3547.42 1790.23,3546.99 1790.23,3489.98 1785.48,3485.23 1759.57,3485.23
GND on Top Layer "Bottom Layer-No Net" (hatched 90Degree grid 4 track 8, remove dead copper, pour order 1006): -36.04,4326.6 -36.04,-0.96 809.17,-0.96 4323.14,-0.96 4323.14,3782.34 4323.14,4326.6 -36.04,4326.6
+12 on Bottom Layer "Bottom Layer-No Net" (hatched 90Degree grid 4 track 10, remove dead copper, pour order 1017): 3804.39,889.52 3665.93,889.52 3598.27,821.86 3598.27,801.4 3611.25,788.42 3726.9,788.42 3808.33,869.85 3808.33,885.58 3804.39,889.52
GND on Bottom Layer "GND_L02_P010" (solid, pour order 1016): 10.82,4327.6
GND on Bottom Layer "Bottom Layer-No Net" (hatched 90Degree grid 4 track 8, remove dead copper, pour order 1000): -10.13,4327.09 -10.13,-0.48 835.08,-0.48 4349.06,-0.48 4349.06,3782.83 4349.06,4327.09 -10.13,4327.09

## Keep-outs
Keep-Out Layer:
  lines w4: 7.24,389.85 ccw(c393.49,382.38) 403.49,-3.81 ; 7.61,389.85 7.61,3931.85 cw(c393.79,3941.85) 401.26,4328.1 3942.57,4328.1 ; 403.49,-3.78 3943.62,-3.78 ccw(c3951.09,382.47) 4337.28,392.47 ; 3941,4328.33 cw(c3951,3942.14) 4337.25,3934.67 4337.25,501.12 ccw(c4345.67,501.12) 4339.71,495.16 ; 4337.25,393.25 4337.25,520.24

## Other copper
Top Layer:
  pour cut-out: 928.83,2888.72 964.71,2852.84 998.4,2852.84 1048.38,2902.82 1294.29,2902.82 1294.29,2930.72 1236.88,2988.13 1147.89,2988.13 1147.89,3030.77 1089.89,3088.77 967.89,3088.77 928.83,3049.71
  pour cut-out: 1445.39,3156.52 1445.39,3127.81 1449.18,3124.03 1450.12,3124.97 1499.64,3124.97 1499.64,3156.94 1499.22,3157.36 1498.38,3156.52
  pour cut-out: 1994.87,1512.49 2058.87,1448.49 2217.17,1448.49 2331.89,1563.2 2254.91,1563.2 2194.68,1623.43 2010.87,1623.43 1994.87,1607.43
  pour cut-out: 3079.89,1049.17 3069.7,1049.17 3069.7,651.89 3480.2,651.89 3480.2,650.07 3489.8,650.07 3489.8,1053.77 3071.89,1053.77
  pour cut-out: 854.27,3984.21 854.27,3572.21 918,3572.21 918,3983.53 851.81,3983.53
  pour cut-out: 199.31,3544.32 199.31,3479.06 808.08,3479.06 808.08,3541.59 198.82,3541.59 198.82,3544.32
  pour cut-out: 3424.38,4098.44 3392.94,4098.5 3392.3,3617.98 3452.1,3617.98 3451.37,4098.43 3443.89,4098.6
  pour cut-out: 3703.98,4185.9 3638.72,4185.9 3640.29,3627.65 3700.09,3627.65 3701.25,4186.39 3703.98,4186.39
  pour cut-out: 3278.03,3007.39 3278.03,2939.89 3313.97,2939.89 3313.97,3010.05 3280.86,3010.05 3280.86,3007.39
  pour cut-out: 3314.37,3135.89 3314.37,3119.89 3292.57,3119.89 3292.57,3020.88 3334.56,3020.88 3334.56,3135.89
  pour cut-out: 1302.64,3133.77 1438.52,3133.77 1438.52,3170.12 1302.64,3170.12
  pour cut-out: 3073.19,1079.89 3073.19,1049.57 3082.87,1039.89 3469.71,1039.89 3497.71,1067.89 3485.71,1079.89
  pour cut-out: 313.7,3289.38 798.84,3289.38 798.84,3233.65 313.7,3233.65
Multi-Layer:
  pour cut-out: 653.82,4328.1 653.82,3935.89 1705.49,3935.89 1705.49,4328.1

## Silkscreen, mask and mechanical layers (free items; w line width, h text height)
Top Overlay:
  text "QLNK4106 V1.1" at 646.26,2123.89 h100
  text "1" at 382.15,2115.89 h40
  text "1" at 4126.15,526.65 h40
Top Solder:
  lines w31.5: 1938.33,1517.35 1938.33,1312.89 2558.82,1312.89 ; 1938.33,1869.98 1938.33,1980.48 ; 1938.33,2348.69 1938.33,2643.89 2332.94,2643.89 ; 2781.42,2643.89 3264.9,2643.89 ; 3124.33,1312.89 4002.89,1312.89 4002.89,2644.89 3743.95,2644.89
Mechanical 8:
  text "RIGHT" at 850.39,4814.2 h40

## Text inside footprints (layer, text, board x,y; h text height)
U1: Top Overlay "Lichee Pi" at 4091.89,1873.59 h40 r90; Top Overlay "Zero" at 4168.98,1959.89 h40 r90